# Altium PCB PCB.PcbDoc (part 1 of 3)
Units mm, origin at the board's own origin, x right, y up, seen from the top; angles counter-clockwise.
Board outline 120 x 70 mm, 4 copper layers (Layer 1, Layer 2, Layer 3, Layer 4), stack 1.282 mm thick; 76 components, 50 nets, 270 pads, 3097 vias.
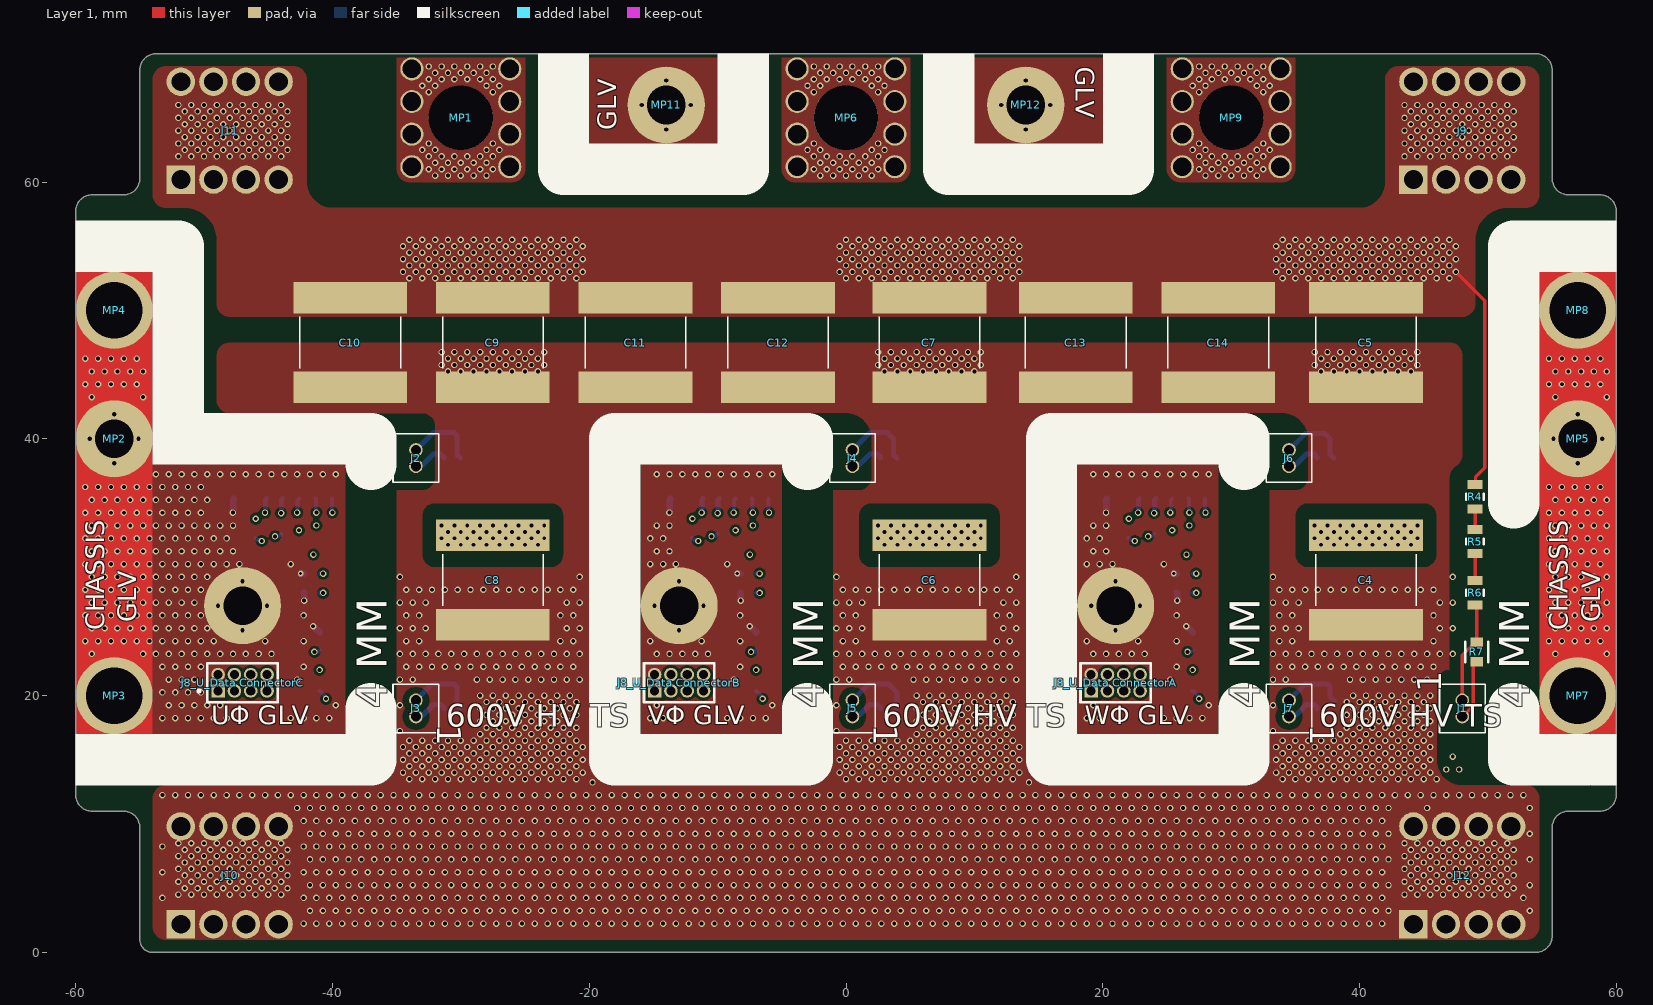
[diagram p0: Layer 1 view]
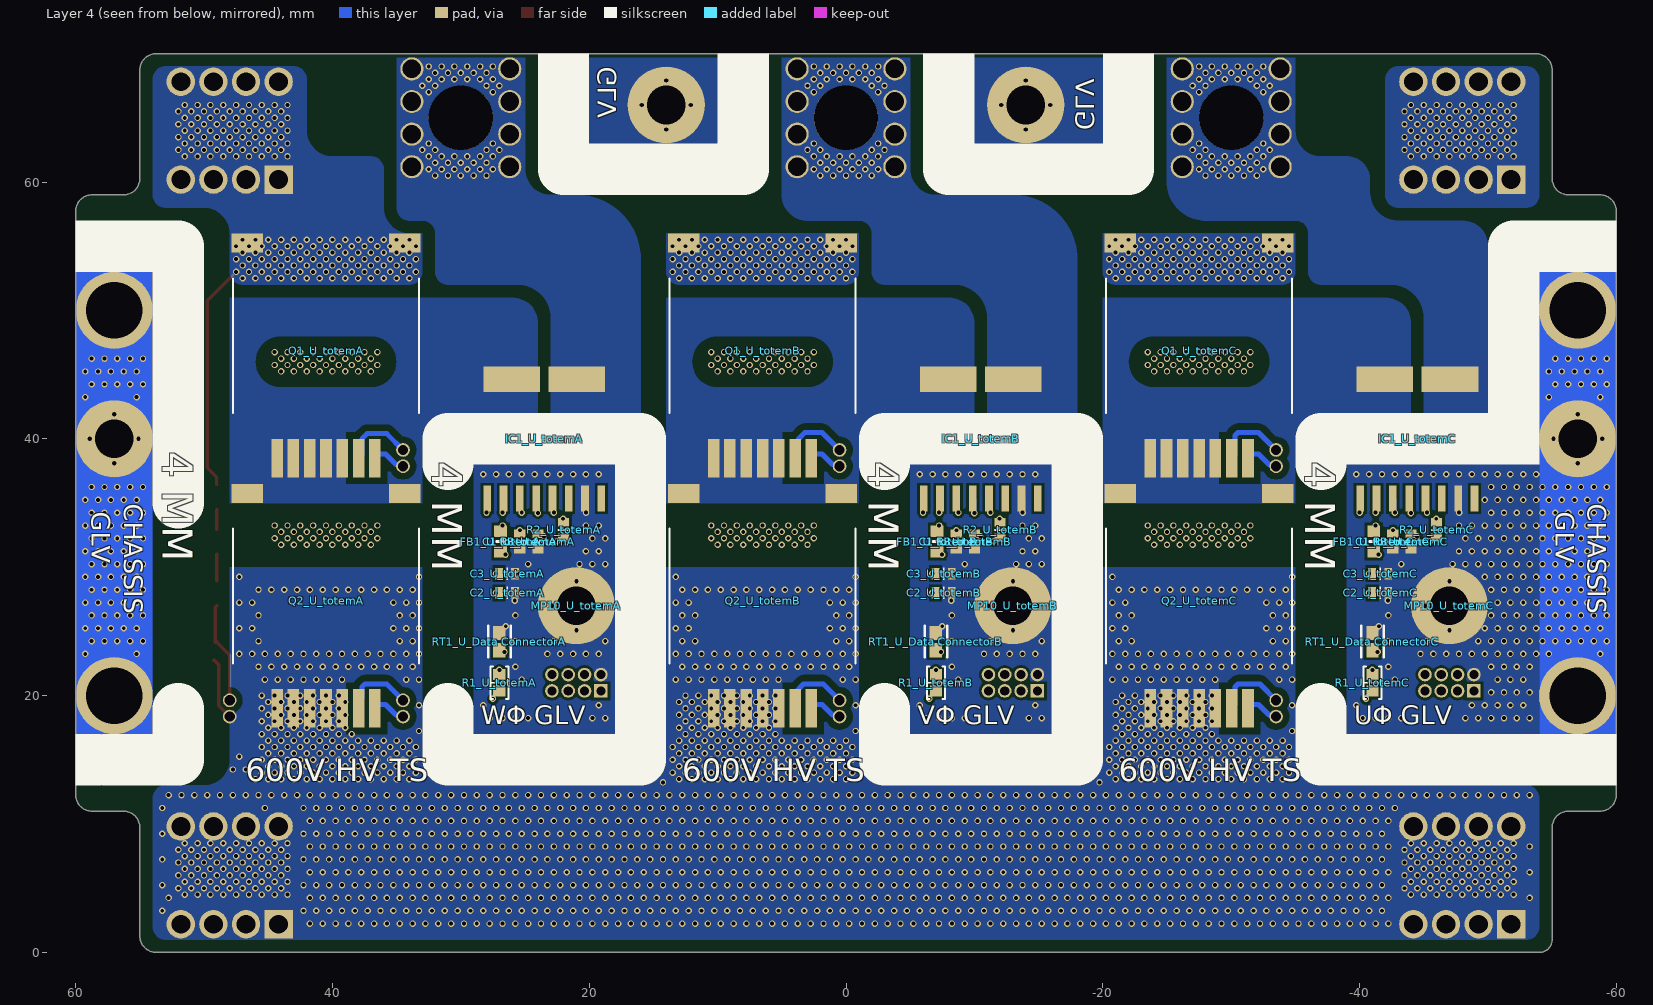
[diagram p1: Layer 4 view, seen from below]
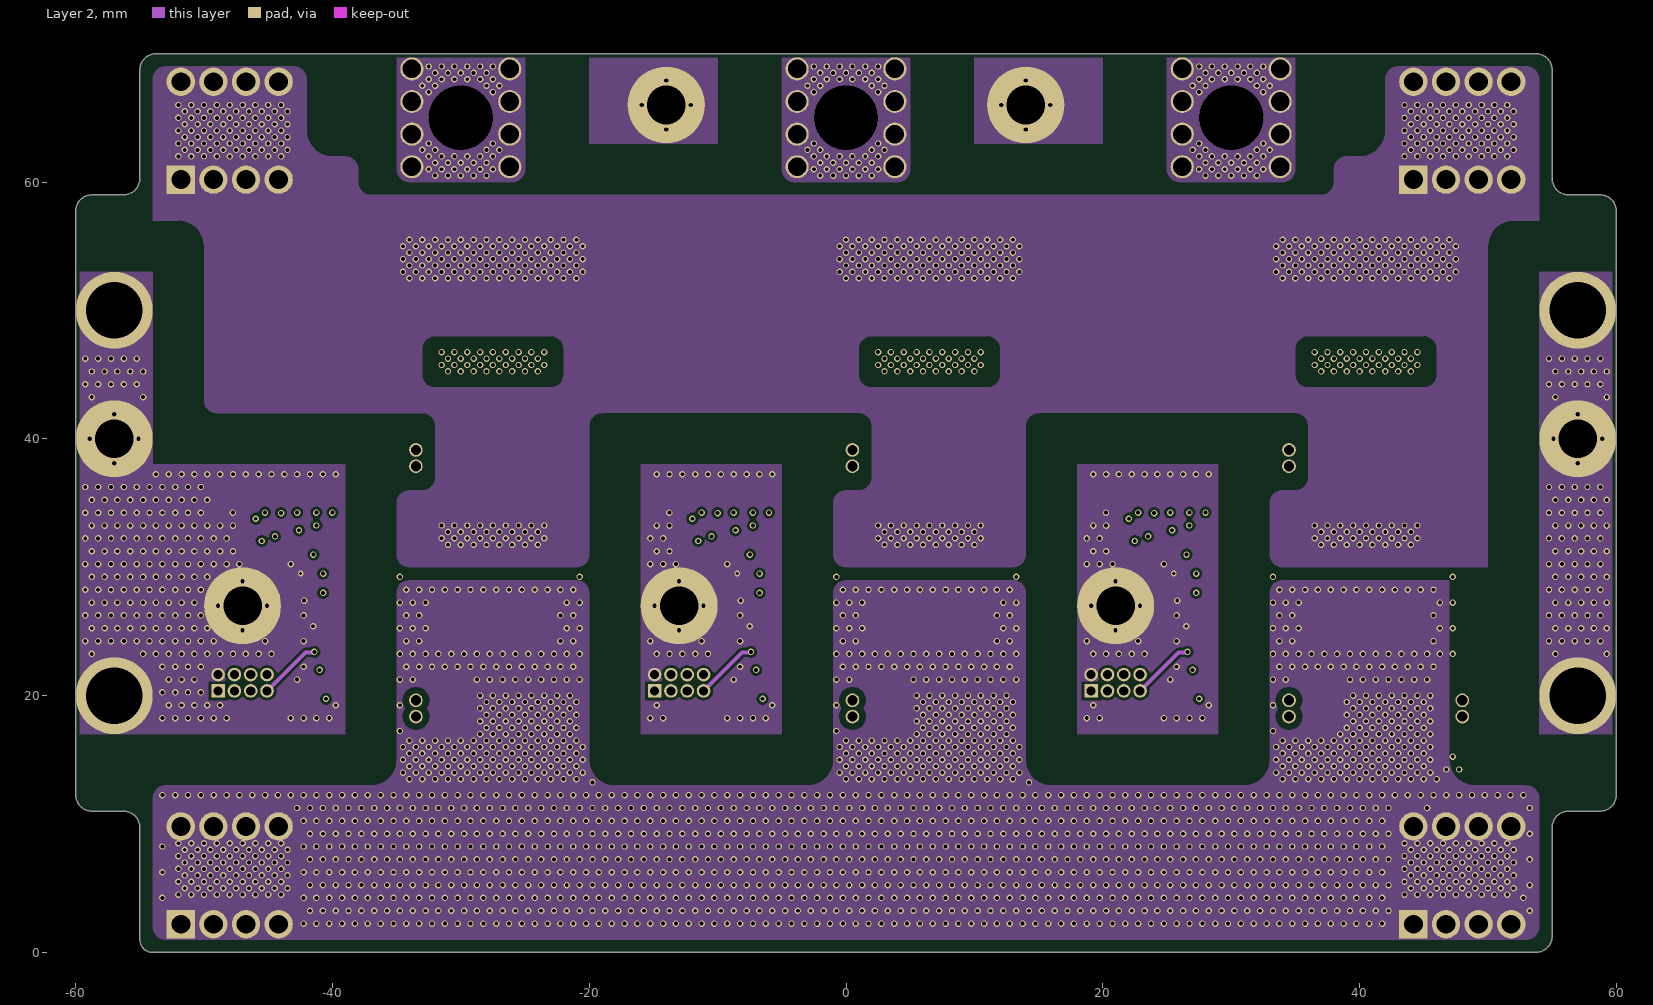
[diagram p2: Layer 2]
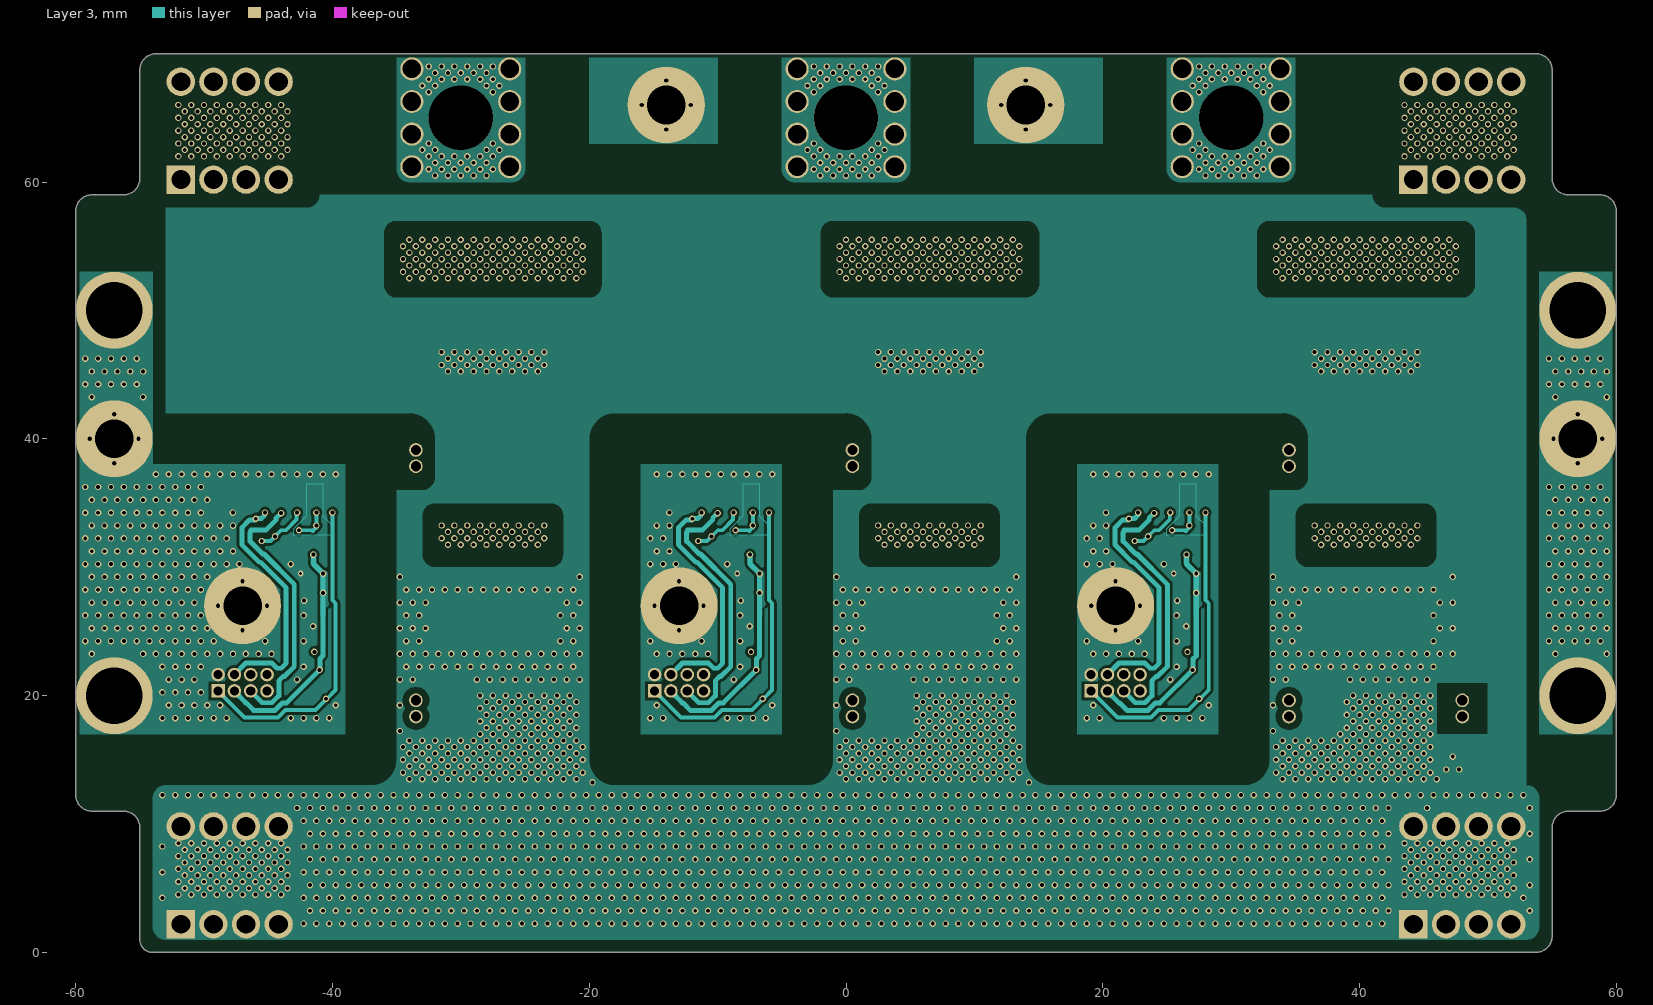
[diagram p3: Layer 3]
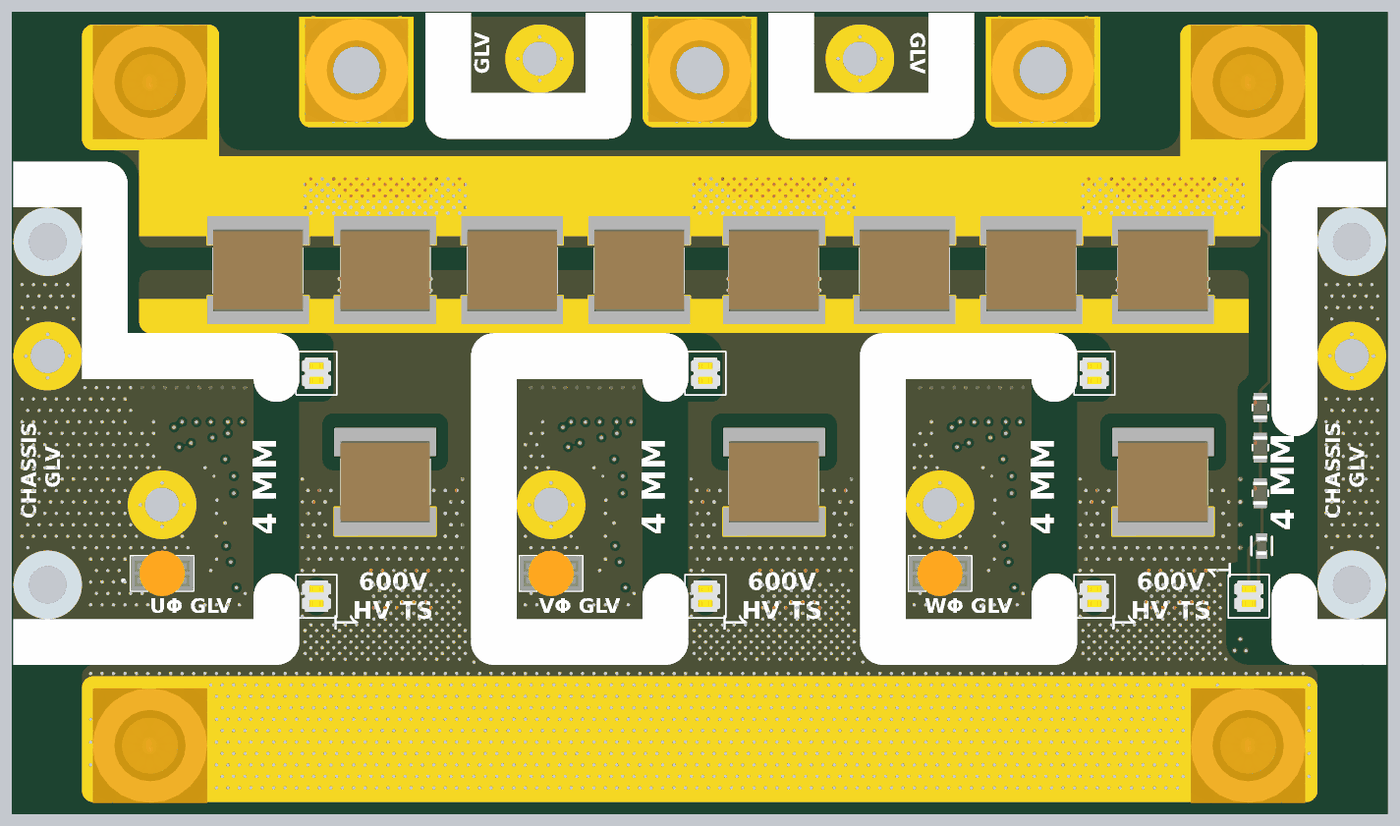
[diagram p6: 3D render of the assembled board from above, using the file's embedded part models]
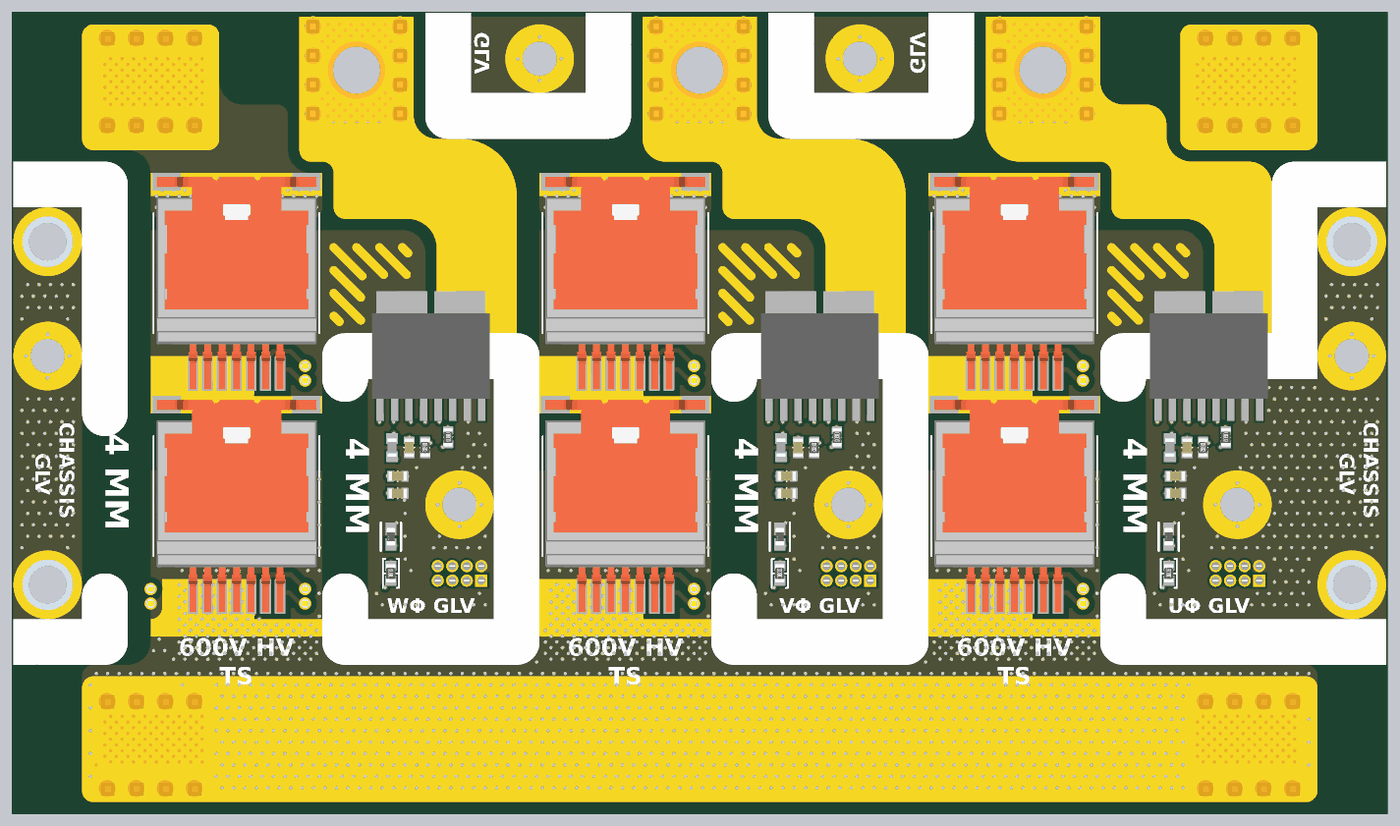
[diagram p7: 3D render of the assembled board from below, using the file's embedded part models]

## Layer stack, top to bottom
Top Solder: solder mask 0.0254, SM-001, Dk 4
Layer 1: signal copper 0.035
Dielectric 2: prepreg 0.0711, PP-006, Dk 4.1
Layer 2: signal copper 0.035
Dielectric 1: core 1, Core-043, Dk 4.6
Layer 3: signal copper 0.035
Dielectric 3: prepreg 0.0711, PP-006, Dk 4.1
Layer 4: signal copper 0.035
Bottom Solder: solder mask 0.0254, SM-001, Dk 4

## Board outline
-58.73,11 -56.27,11 cw(c-56.27,9.73) -55,9.73 -55,1 ccw(c-54,1) -54,0 53.73,0 ccw(c53.73,1.27) 55,1.27 55,9.73 cw(c56.27,9.73) 56.27,11 58.73,11 ccw(c58.73,12.27) 60,12.27 60,57.73 ccw(c58.73,57.73) 58.73,59 56.27,59 cw(c56.27,60.27) 55,60.27 55,68.73 ccw(c53.73,68.73) 53.73,70 -53.73,70 ccw(c-53.73,68.73) -55,68.73 -55,60.27 cw(c-56.27,60.27) -56.27,59 -58.73,59 ccw(c-58.73,57.73) -60,57.73 -60,12.27 ccw(c-58.73,12.27)

## Design rules (kind name [scope] priority, off if disabled: settings)
AcuteAngle [All] p1 off: minimum=6.00000000000000E+0001 checktracksonly=FALSE
AssemblyTestpoint [All] p1: testpointundercomponent=TRUE minsize=1.016 maxsize=2.54 preferedsize=1.524 minholesize=0 maxholesize=1.016 preferedholesize=0.813 testpointgrid=0.025 usegrid=TRUE gridtolerance=0 allowsidetop=TRUE
BackDrilling [All] p1: maxstublength=0.381 usetopbackdrill=TRUE usebottombackdrill=TRUE holeoversize=0.025 holetolplus=0 holetolminus=0
BoardOutlineClearance [(OnLayer('Layer 1') OR OnLayer('Layer 2') OR OnLayer('Layer 3') OR OnLayer('Layer 4'))  OR OnLayer('Top Solder') OR OnLayer('Bottom Solder')] p1: gap=0.305 ignorepadtopadclearanceinfootprint=FALSE
Clearance HV-LV [InNetClass('HV') vs InNetClass('LV')] p1: gap=1 ignorepadtopadclearanceinfootprint=TRUE
Clearance HV-HV [InNetClass('HV') vs InNetClass('HV')] p2: gap=0.2 ignorepadtopadclearanceinfootprint=TRUE except(0.5: Arc-Poly Track-Poly SMDPad-Poly THPad-Poly Via-Poly Fill-Poly Poly-Poly)
Clearance LV-LV [InNetClass('LV') vs InNetClass('LV')] p3: gap=0.2 ignorepadtopadclearanceinfootprint=TRUE
Clearance Manufacturable [All] p4: gap=0.18 ignorepadtopadclearanceinfootprint=TRUE
ComponentClearance [All] p1 off: gap=0.127 collisioncheckmode=3 verticalgap=1.016 showdistances=FALSE checkcomponentboundary=TRUE
ComponentOrientations [All] p1: allowedrotations=32
DiffPairsRouting DiffPairsRouting_1 [All] p1: maxlimit=0.254 minlimit=0.254 mostfreqgap=0.254 toplayer_minwidth=0.381 toplayer_maxwidth=0.381 toplayer_prefwidth=0.381 midlayer1_minwidth=0.381 midlayer1_maxwidth=0.381 midlayer1_prefwidth=0.381 midlayer6_minwidth=0.381 midlayer6_maxwidth=0.381 midlayer6_prefwidth=0.381 bottomlayer_minwidth=0.381 bottomlayer_maxwidth=0.381 bottomlayer_prefwidth=0.381 maxuncoupledlength=12.7
DiffPairsRouting [All] p2: maxlimit=0.254 minlimit=0.254 mostfreqgap=0.254 toplayer_minwidth=0.25 toplayer_maxwidth=0.381 toplayer_prefwidth=0.28 midlayer1_minwidth=0.25 midlayer1_maxwidth=0.381 midlayer1_prefwidth=0.28 midlayer6_minwidth=0.25 midlayer6_maxwidth=0.381 midlayer6_prefwidth=0.28 bottomlayer_minwidth=0.25 bottomlayer_maxwidth=0.381 bottomlayer_prefwidth=0.28 maxuncoupledlength=12.7
FabricationTestpoint [All] p1: side=1 testpointundercomponent=FALSE minsize=1.016 maxsize=2.54 preferedsize=1.524 minholesize=0 maxholesize=1.016 preferedholesize=0.813 testpointgrid=0.025 allowsidetop=TRUE usegrid=TRUE gridtolerance=0
HoleSize [All] p1: absolutevalues=TRUE maxlimit=6.604 minlimit=0.2 maxpercent=80.000 minpercent=20.000
HoleToHoleClearance [All] p1: gap=0.2 allowstackedmicrovias=FALSE
Length [All] p1: maxlimit=254 minlimit=0
MatchedLengths MatchedLengthsPair [All] p1 off: tolerance=25.4 checknetsindiffpair=TRUE checkdiffpairvsdiffpair=FALSE checkxsignals=FALSE checkothers=FALSE usedelayunits=TRUE delaytolerance=30.000000
MatchedLengths MatchedLengthsGroup [InDifferentialPairClass('All Differential Pairs')] p2 off: tolerance=25.4 checknetsindiffpair=FALSE checkdiffpairvsdiffpair=TRUE checkxsignals=TRUE checkothers=TRUE usedelayunits=TRUE delaytolerance=50.000000
MaximumViaCount [All] p1 off: limit=100
MinimumAnnularRing [All] p1: minimumring=0.1
MinimumSolderMaskSliver [All] p1 off: minsoldermaskwidth=0.01
OvershootFalling [All] p1: maximum=300.0m
OvershootRising [All] p1: maximum=300.0m
ParallelSegment [All] p1: limit=25.4 gap=0.254
PasteMaskExpansion [All] p1: expansion=0.025
PermittedLayers [All] p1: toplayerpermitted=TRUE bottomlayerpermitted=TRUE
PlaneClearance [All] p1: clearance=0.635
PlaneConnect [All] p1: planeconnectstyle=Direct reliefexpansion=0.508 reliefentries=4 reliefconductorwidth=0.381 reliefairgap=0.254
PolygonConnect [All] p1: connectstyle=Direct reliefconductorwidth=0.381 reliefentries=4 polygonreliefangle="90 Angle" airgapwidth=0.254
ReturnPath [All] p1: _gaplimit=0
RoutingCorners [All] p1: cornerstyle=45-Degree minsetback=2.54 maxsetback=12.7
RoutingVias [All] p1: holewidth=0.25 width=0.45 viastyle="Through Hole" minholewidth=0.25 minwidth=0.45 maxholewidth=6.096 maxwidth=11.43
SMDEntry [All] p1: side=TRUE corner=TRUE anyangle=TRUE
SMDNeckDown [All] p1 off: percent=100.000
SMDToPlane [All] p1 off: distance=1000000
SignalStimulus [All] p1: kind=1 level=0 starttime=10.00n stoptime=60.00n periodtime=100.0n
SilkToSilkClearance [All] p1 off: silktosilkclearance=0.2
SilkToSolderMaskClearance [IsPad] p1 off: minsilkscreentomaskgap=0.001 clearancetoexposedcopper=FALSE
SolderMaskExpansion VIa [isvia] p1: expansion=0.102 istentingtop=TRUE
SolderMaskExpansion SolderMaskExpansion_1 [All] p2: expansion=0 istentingtop=FALSE
StubLength [All] p1: limit=12.7
SupplyNets "Schematic Supply Nets" [InNet('GND_U_Data ConnectorA')] p1: voltage=0.000
SupplyNets "Schematic Supply Nets_7" [InNet('CHASSIS_R')] p2: voltage=0.000
SupplyNets "Schematic Supply Nets_6" [InNet('CHASSIS_L')] p3: voltage=0.000
SupplyNets "Schematic Supply Nets_5" [InNet('GND_U_Data ConnectorB')] p4: voltage=0.000
SupplyNets "Schematic Supply Nets_4" [InNet('3V_U_totemA')] p5: voltage=0.000
SupplyNets "Schematic Supply Nets_3" [InNet('3V_U_totemB')] p6: voltage=0.000
SupplyNets "Schematic Supply Nets_2" [InNet('3V_U_totemC')] p7: voltage=0.000
UnConnectedPin [InNet('No Net') And HasFootprint('No Footprint')] p1:
UnRoutedNet [InNetClass('All Nets')] p1: checkbadconnections=TRUE
UndershootFalling [All] p1: maximum=300.0m
UndershootRising [All] p1: maximum=300.0m
ViasUnderSMD [All] p1: allowed=TRUE
Width [All] p1: maxlimit=1.27 minlimit=0.2 preferedwidth=0.381
16 further rules are at their usual default settings.

## Classes and differential pairs
net class LV: 3V_U_totemA 3V_U_totemB 3V_U_totemC \O\C\_\D\E\T\_U_totemA \O\C\_\D\E\T\_U_totemB \O\C\_\D\E\T\_U_totemC CHASSIS_L CHASSIS_R CURR_SENSE_U_totemA_N CURR_SENSE_U_totemA_P CURR_SENSE_U_totemB_N CURR_SENSE_U_totemB_P CURR_SENSE_U_totemC_N CURR_SENSE_U_totemC_P "GND_U_Data ConnectorA" "GND_U_Data ConnectorB" NetIC1_U_totemA_5 NetIC1_U_totemB_5 NetIC1_U_totemC_5 "NetJ7_U_Data ConnectorA_06" "NetJ7_U_Data ConnectorA_08" "NetJ7_U_Data ConnectorB_06" "NetJ7_U_Data ConnectorB_08" "NetJ7_U_Data ConnectorC_06" "NetJ7_U_Data ConnectorC_08" "NetJ8_U_Data ConnectorA_07" "NetJ8_U_Data ConnectorB_07" "NetJ8_U_Data ConnectorC_07" V_SUPPLY_U_totemA V_SUPPLY_U_totemB V_SUPPLY_U_totemC
net class HV: A_G_IN_U_totemA A_G_IN_U_totemB A_G_IN_U_totemC A_LOW_U_totemA A_LOW_U_totemB A_LOW_U_totemC B_G_IN_U_totemA B_G_IN_U_totemB B_G_IN_U_totemC B_LOW_U_totemA B_LOW_U_totemB B_LOW_U_totemC HV+_1 HV-_1 NetIC1_U_totemA_2 NetIC1_U_totemB_2 NetIC1_U_totemC_2 SENSE+ U_1 V_1 W_1
component class "U_DC Link": C4 C5 C6 C7 C8 C9 C10 C11 C12 C13 C14
component class U_totemC: C1_U_totemC C2_U_totemC C3_U_totemC FB1_U_totemC IC1_U_totemC MP10_U_totemC Q1_U_totemC Q2_U_totemC R1_U_totemC R2_U_totemC R3_U_totemC
component class "U_Voltage Divider": R4 R5 R6 R7
channel class totem: U_totemA U_totemB U_totemC
channel class "Data Connector": "U_Data ConnectorA" "U_Data ConnectorB" "U_Data ConnectorC"
net class Tree_Nets: 3V_U_totemA 3V_U_totemB 3V_U_totemC \O\C\_\D\E\T\_U_totemA \O\C\_\D\E\T\_U_totemB \O\C\_\D\E\T\_U_totemC A_G_IN_U_totemA A_G_IN_U_totemB A_G_IN_U_totemC A_LOW_U_totemA A_LOW_U_totemB A_LOW_U_totemC B_G_IN_U_totemA B_G_IN_U_totemB B_G_IN_U_totemC B_LOW_U_totemA B_LOW_U_totemB B_LOW_U_totemC CHASSIS_L CHASSIS_R CURR_SENSE_U_totemA_N CURR_SENSE_U_totemA_P CURR_SENSE_U_totemB_N CURR_SENSE_U_totemB_P CURR_SENSE_U_totemC_N CURR_SENSE_U_totemC_P "GND_U_Data ConnectorA" "GND_U_Data ConnectorB" HV+_1 HV-_1 LU_1 RU_1 SENSE+ U_1 V_1 W_1
component class U_totemA: C1_U_totemA C2_U_totemA C3_U_totemA FB1_U_totemA IC1_U_totemA MP10_U_totemA Q1_U_totemA Q2_U_totemA R1_U_totemA R2_U_totemA R3_U_totemA
component class U_totemB: C1_U_totemB C2_U_totemB C3_U_totemB FB1_U_totemB IC1_U_totemB MP10_U_totemB Q1_U_totemB Q2_U_totemB R1_U_totemB R2_U_totemB R3_U_totemB
component class "U_HC Standoff": J9 J10 J11 J12
component class "U_Data ConnectorC": "J8_U_Data ConnectorC" "RT1_U_Data ConnectorC"
component class "U_Data ConnectorB": "J8_U_Data ConnectorB" "RT1_U_Data ConnectorB"
component class "U_Data ConnectorA": "J8_U_Data ConnectorA" "RT1_U_Data ConnectorA"
component class Tree: J1 J2 J3 J4 J5 J6 J7 MP1 MP2 MP3 MP4 MP5 MP6 MP7 MP8 MP9 MP11 MP12
differential pair CURR_SENSE_U_totemC: +CURR_SENSE_U_totemC_P -CURR_SENSE_U_totemC_N
differential pair CURR_SENSE_U_totemB: +CURR_SENSE_U_totemB_P -CURR_SENSE_U_totemB_N
differential pair CURR_SENSE_U_totemA: +CURR_SENSE_U_totemA_P -CURR_SENSE_U_totemA_N
